# Altium PCB Z693_H93-A_KD01_V1.3_X6.PcbDoc (part 5 of 7)
Units mil, origin at the board's own origin, x right, y up, seen from the top; angles counter-clockwise.
Board outline 6229.44 x 4099.52 mil, 4 copper layers (Top Layer, Mid-Layer 1, Mid-Layer 2, Bottom Layer); 1032 components, 62 nets, 3170 pads, 1350 vias.
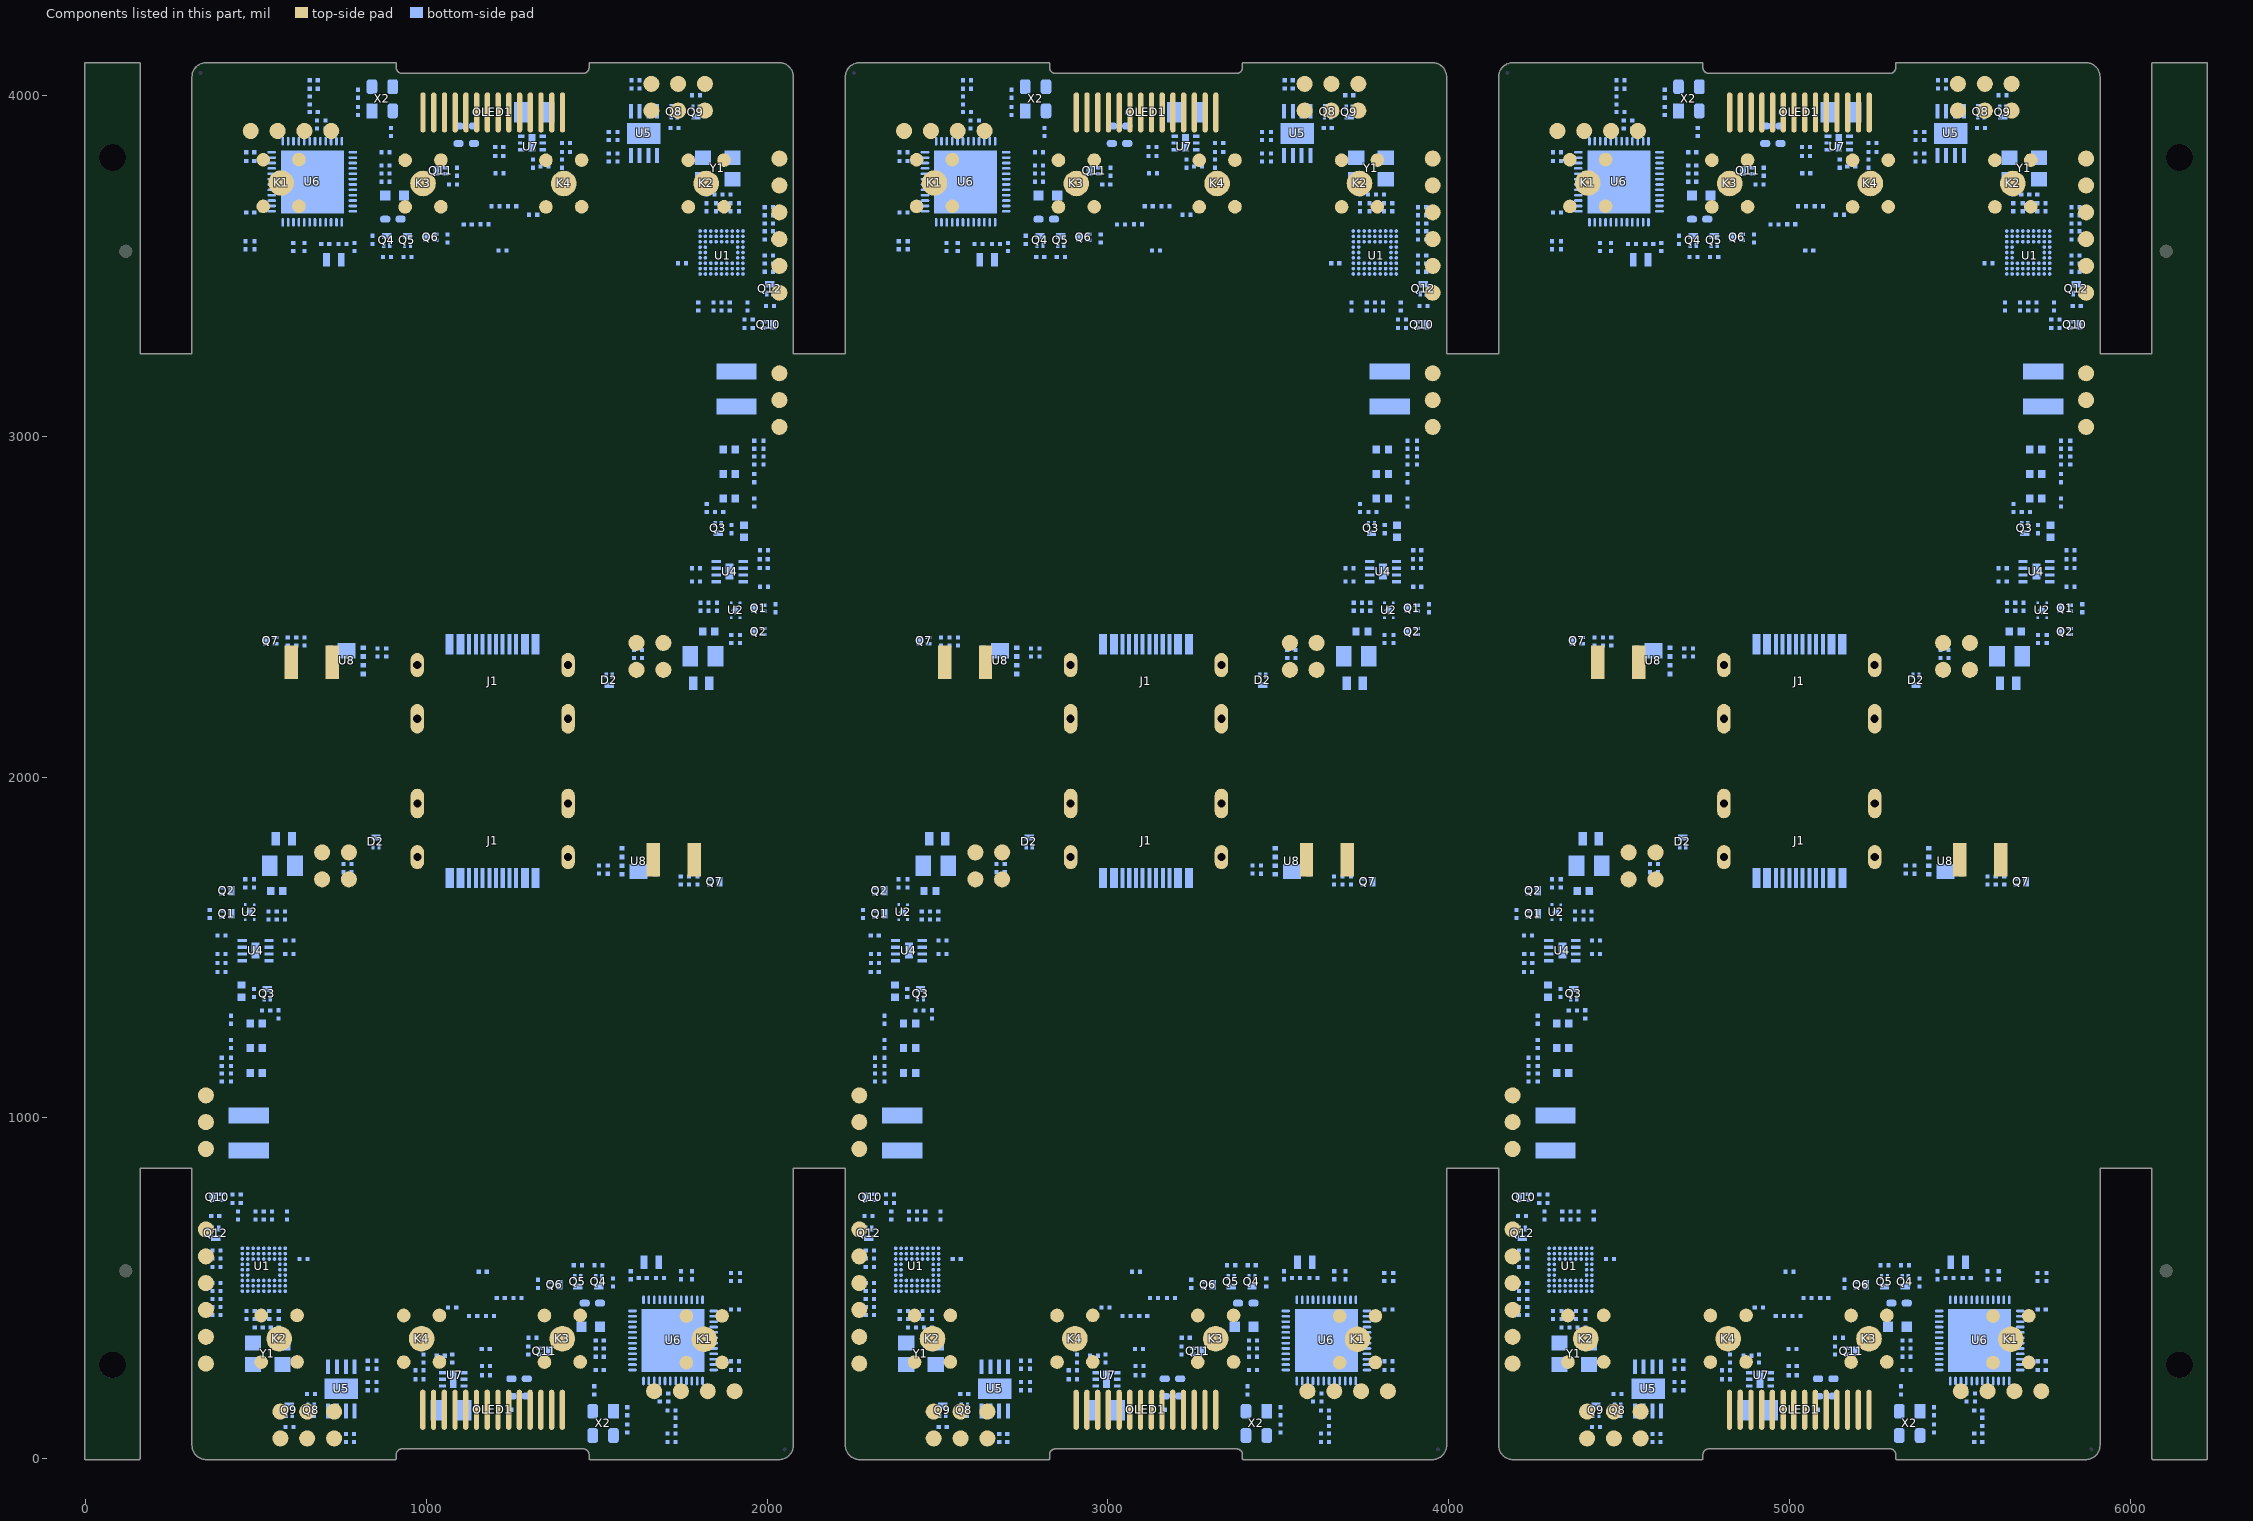
[diagram p7: the components of this part, seen from the top]

## Via types
v1: diameter 15, hole 8, Top Layer to Bottom Layer, tented both sides, 1194 vias
v2: diameter 8, hole 4, Mid-Layer 2 to Bottom Layer, tented bottom, 150 vias
v3: diameter 20, hole 10, Top Layer to Bottom Layer, tented both sides, 6 vias

## Nets (pads, with @x,y where several pads share a name; then routed paths per layer and width w, separated by ;. In a path a pad name is that pad's centre, name@x,y a point inside that pad or via, vN(x,y) a via of type N, cw(c..) or ccw(c..) an arc to the next point about the centre after c; other vN are vias at no path point) (continued)
copper on no net: (continued)
  Bottom Layer w6: v1(358.36,233.9) 347.8,244.46 347.8,519.91 360.49,532.6 417.77,532.6 428.01,522.35 459.52,522.35 460.27,523.1 ; 372.64,611.09 372.64,638.77 381.66,647.8 ; 396.26,516.1 410.93,516.1 v1(416.93,510.1) ; 396.26,563 396.26,587.09 396.26,611.09 399.79,607.56 v1(415.88,607.56) ; 410.51,1428.57 447.73,1428.57 459.89,1440.73 459.89,1461.57 ; 410.51,1535.62 426.73,1535.62 441.73,1520.62 459.89,1520.62 ; v1(423.53,429.88) 468.44,429.88 472.16,433.59 496.65,433.59 509.11,446.05 v2(509.11,460.78) ; v1@425.88,589.06 v1(429.88,589.06) 441.92,589.06 444.88,586.1 460.27,586.1 ; 427.26,1106.88 427.26,1082.39 452.3,1057.35 553.61,1057.35 574.15,1036.81 v1(574.15,969.3) ; v2(441.88,468.56) 457.46,468.56 476.02,487.11 476.02,491.61 ; v1(447.26,661.43) 447.26,701.65 ; v1(453.38,1546.06) 467.38,1546.06 474.99,1538.45 536.62,1538.45 561.26,1563.1 561.26,1582.58 585.26,1582.58 ; 491.27,339.59 520.27,368.59 520.27,384.59 523.26,387.58 523.26,491.61 ; v1(498.51,542.58) 507.51,533.58 507.51,523.1 ; v1(499.26,652.56) 507.51,644.31 507.51,617.59 ; v1@499.26,673.56 499.26,701.65 ; v1(520.8,130.88) 520.8,95.88 534.8,81.88 575.28,81.88 586.5,93.1 ; 523.26,523.1 v1(523.26,542.58) ; 529.63,2400.99 529.63,2425.29 542.28,2437.93 v1(584.88,2437.93) ; 538.63,1461.57 575.87,1461.57 601.88,1435.56 v1(601.88,1417.56) ; 538.63,1481.25 586.27,1481.25 ; 539.01,409.97 539.01,389.23 543.65,384.59 543.65,310.84 577.88,276.6 ; 539.01,433.59 539.01,491.61 ; v1(539.01,569.67) 539.01,586.1 ; v1(546.77,542.58) 554.76,534.59 554.76,523.1 ; 557.19,2409.84 593.43,2409.84 ; v1(557.27,450.17) 567.27,440.17 567.27,433.59 ; 578.89,3866.49 578.89,3899.94 v1(591.94,3912.99) ; 586.25,507.36 661.44,507.36 698.92,469.88 759.34,469.88 780.77,448.44 780.77,379.88 840.83,319.82 860.45,319.82 885.88,294.39 885.88,205.5 849.88,169.5 v1(849.88,146.89) ; 586.25,523.1 623.63,523.1 627.38,519.36 666.41,519.36 703.89,481.88 764.31,481.88 792.77,453.41 792.77,384.85 845.8,331.82 865.42,331.82 897.88,299.36 897.88,200.53 866.38,169.03 v1(866.38,72.39) ; 586.25,538.85 624.86,538.85 632.35,531.36 671.38,531.36 708.86,493.88 769.28,493.88 804.77,458.38 804.77,389.82 850.77,343.82 870.39,343.82 909.88,304.33 909.88,195.56 884.35,170.03 v1(884.35,89.09) ; 586.25,554.6 626.08,554.6 637.32,543.36 676.35,543.36 713.83,505.88 780.8,505.88 869.8,416.88 969.17,416.88 v1(1012.8,460.51) ; 586.25,570.35 627.3,570.35 642.29,555.36 681.32,555.36 718.8,517.88 805.75,517.88 v1(864.8,458.82) ; 586.25,586.1 627.63,586.1 ; 586.25,601.84 608.17,601.84 635.88,629.56 913.17,629.56 940.88,601.84 v1(1265,601.84) ; 591.76,701.65 610.88,682.53 v1(610.88,629.56) ; 594.64,3866.49 594.64,3880.74 v1(610.39,3896.49) ; 609.63,3544.2 609.63,3529.44 v1(625.96,3513.12) ; 609.63,3567.82 609.63,3627.55 610.39,3628.3 ; v1(626.13,3594.3) 626.13,3628.3 ; 641.88,3628.3 642.63,3627.55 642.63,3567.82 ; 642.63,3544.2 642.63,3508.94 v1(654.96,3496.62) ; v1(695.96,3592.62) 695.96,3605.7 704.87,3614.62 704.87,3628.3 ; v1(703.88,101.56) 712.26,109.94 712.26,140.17 ; v1(708.8,355.88) 708.8,397.3 v1(747.38,435.88) ; v1(738.11,100.1) 738.11,140.17 ; 784.6,3771.02 825.36,3771.02 849.74,3795.4 868.67,3795.4 v1@868.67,3813.11 ; 784.6,3802.51 810.3,3802.51 v1(821.88,3790.93) ; 784.6,3818.26 822.55,3818.26 v1(829.88,3810.93) ; 789.44,270.1 789.44,283.12 794,287.68 828.48,287.68 ; v1(858.84,398.91) 1019.16,398.91 1064.26,444.01 ; 882.5,2377.4 882.5,2417.29 893.88,2428.67 v1(1044.88,2428.67) 1115.87,2428.67 1125.92,2418.62 1125.92,2390.14 ; 892.29,3747.4 922.42,3747.4 934.6,3735.22 934.6,3707.4 ; 892.29,3834.01 v1(892.29,3852.34) ; v1(904.43,477.01) 1008.48,581.06 1294.27,581.06 1327.82,547.51 1327.82,525 ; v1(987.96,3847.62) 1029.4,3806.17 1029.4,3779.47 ; 991.89,305.72 1027.21,305.72 1030.64,302.29 ; v1(1044.62,1665.82) 1135.68,1665.82 1145.73,1675.87 1145.73,1704.35 ; 1054.26,302.29 1057.69,305.72 1076.26,305.72 1076.45,305.53 v1(1110.88,305.53) ; 1056.96,3788.33 1057.19,3788.56 1090.43,3788.56 ; 1061.95,3569.49 1061.95,3546.98 1095.5,3513.43 1381.29,3513.43 v1(1485.34,3617.48) ; 1088.38,443.51 1087.88,444.01 1087.88,412.67 1116.68,383.88 v1(1159.8,383.88) ; v1(1104.88,419.01) 1125.88,419.01 ; v1(1104.88,3529.93) 1104.88,3549.54 1127.28,3571.93 1162.28,3571.93 1182.96,3592.62 1182.96,3622.62 ; v1(1124.76,3492.65) 1448.88,3492.65 1476.6,3464.93 1753.88,3464.93 1781.6,3492.65 1803.51,3492.65 ; v1(1126.96,560.78) 1138.86,548.88 1153.8,548.88 ; v1(1134.31,3531.93) 1198.65,3531.93 1212.34,3545.62 ; 1149.5,419.01 1174.88,419.01 1174.88,395.88 1211.66,359.1 v1(1226.8,359.1) ; v1(1162.96,3735.4) 1178.1,3735.4 1214.88,3698.62 1214.88,3675.48 1240.26,3675.48 ; 1177.43,548.88 1191.11,562.56 v1(1255.45,562.56) ; 1206.8,471.88 1206.8,501.88 1227.49,522.56 1262.49,522.56 1284.88,544.95 v1(1284.88,564.56) ; v1(1229.96,3710.62) 1273.08,3710.62 1301.88,3681.82 1301.88,3650.48 1301.38,3650.98 ; 1235.96,3545.62 1250.9,3545.62 v1(1262.8,3533.72) ; 1244.03,2390.14 1244.03,2418.62 1254.08,2428.67 v1(1345.14,2428.67) ; 1263.84,1704.35 1263.84,1675.87 1273.9,1665.82 v1(1344.88,1665.82) 1495.88,1665.82 1507.26,1677.2 1507.26,1717.1 ; 1263.88,3675.48 v1(1284.88,3675.48) ; v1(1278.88,3788.96) 1313.32,3788.96 1313.5,3788.77 1332.08,3788.77 1335.5,3792.2 ; 1299.34,305.93 1332.57,305.93 1332.8,306.16 ; 1325.5,3650.48 1370.6,3695.58 v1(1530.93,3695.58) ; 1359.13,3792.2 1362.56,3788.77 1397.87,3788.77 ; 1360.36,315.02 1360.36,288.32 v1(1401.8,246.88) ; v1(1376.96,3633.98) 1420.59,3677.62 1519.96,3677.62 1608.96,3588.62 1675.93,3588.62 1713.41,3551.14 1752.44,3551.14 1763.69,3539.89 1803.51,3539.89 ; 1455.17,387.1 1455.17,359.28 1467.35,347.1 1497.47,347.1 ; v1(1497.47,242.15) 1497.47,260.48 ; v1(1505.41,4005.4) 1505.41,3924.46 1479.88,3898.93 1479.88,3790.16 1519.37,3750.67 1539,3750.67 1584.99,3704.67 1584.99,3636.11 1620.49,3600.62 1680.9,3600.62 1718.38,3563.14 1757.41,3563.14 1764.91,3555.64 1803.51,3555.64 ; v1@1521.1,281.38 1521.1,299.1 1540.02,299.1 1564.4,323.47 1605.17,323.47 ; v1(1523.38,4022.1) 1523.38,3925.46 1491.88,3893.96 1491.88,3795.13 1524.34,3762.67 1543.97,3762.67 1596.99,3709.64 1596.99,3641.08 1625.46,3612.62 1685.87,3612.62 1723.35,3575.14 1762.38,3575.14 1766.13,3571.39 1803.51,3571.39 ; v1(1524.96,3635.67) 1584.02,3576.62 1670.96,3576.62 1708.44,3539.14 1747.47,3539.14 1762.46,3524.14 1803.51,3524.14 ; v1(1539.88,3947.6) 1539.88,3924.99 1503.88,3888.99 1503.88,3800.1 1529.31,3774.67 1548.94,3774.67 1608.99,3714.62 1608.99,3646.05 1630.43,3624.62 1690.84,3624.62 1728.32,3587.14 1803.51,3587.14 ; v1(1559.88,283.56) 1567.21,276.23 1605.17,276.23 ; 1561.28,3806.81 1595.76,3806.81 1600.32,3811.37 1600.32,3824.4 ; v1(1567.88,303.56) 1579.46,291.98 1605.17,291.98 ; v1(1642.38,3658.62) 1680.96,3697.19 v1(1680.96,3738.62) ; 1651.65,3954.32 v1(1651.65,3994.39) ; 1677.5,3954.32 1677.5,3984.55 v1(1685.88,3992.93) ; 1684.89,466.19 1684.89,479.88 1693.8,488.79 v1(1693.8,501.88) ; v1(1734.8,597.88) 1747.13,585.55 1747.13,550.29 ; 1747.13,526.67 1747.13,466.94 1747.88,466.19 ; 1762.13,3508.4 1803.51,3508.4 ; 1763.63,466.19 v1(1763.63,500.19) ; v1(1763.8,581.38) 1780.13,565.05 1780.13,550.29 ; v1(1778.88,3464.93) 1778.88,3411.96 1798.01,3392.84 ; v1(1779.38,198) 1795.13,213.75 1795.13,228 ; 1779.38,466.19 1780.13,466.94 1780.13,526.67 ; v1(1787.88,2676.93) 1787.88,2658.93 1813.89,2632.92 1851.13,2632.92 ; 1796.34,1684.65 1832.58,1684.65 ; v1(1797.82,181.5) 1810.87,194.55 1810.87,228 ; 1803.27,4001.4 1814.49,4012.62 1854.96,4012.62 1868.96,3998.62 v1(1868.96,3963.62) ; 1803.5,2613.24 1851.13,2613.24 ; 1804.5,2511.91 1828.5,2511.91 1828.5,2531.4 1853.15,2556.04 1914.77,2556.04 1922.38,2548.43 v1(1936.38,2548.43) ; v1(1804.88,1656.56) 1847.49,1656.56 1860.13,1669.21 1860.13,1693.51 ; 1811.88,3817.89 1846.12,3783.65 1846.12,3709.9 1850.76,3705.26 1850.76,3684.52 ; v1(1815.62,3125.19) 1815.62,3057.68 1836.16,3037.14 1937.46,3037.14 1962.5,3012.1 1962.5,2987.62 ; 1822.5,3660.9 1822.5,3654.32 v1(1832.5,3644.32) ; 1835.01,3571.39 1835.01,3559.9 v1(1843,3551.91) ; 1850.76,3508.4 v1(1850.76,3524.82) ; 1850.76,3602.88 1850.76,3660.9 ; v1(1866.5,3551.91) 1866.5,3571.39 ; 1866.5,3602.88 1866.5,3706.91 1869.5,3709.9 1869.5,3725.9 1898.5,3754.9 ; v2(1880.66,3633.71) 1880.66,3648.44 1893.12,3660.9 1917.6,3660.9 1921.32,3664.62 v1(1966.23,3664.62) ; 1882.25,3476.9 1882.25,3450.18 v1(1890.5,3441.93) ; 1882.25,3571.39 1882.25,3560.91 v1(1891.25,3551.91) ; 1890.5,3392.84 v1@1890.5,3420.93 ; 1913.75,3602.88 1913.75,3607.38 1932.3,3625.93 v2(1947.88,3625.93) ; 1929.5,3508.4 1944.88,3508.4 1947.85,3505.43 v1(1959.88,3505.43) v1@1963.88,3505.43 ; 1929.5,3571.39 1930.25,3572.14 1961.76,3572.14 1972,3561.9 2029.27,3561.9 2041.96,3574.58 2041.96,3850.03 v1(2031.4,3860.59) ; 1929.87,2573.87 1948.03,2573.87 1963.03,2558.87 1979.25,2558.87 ; 1929.87,2632.92 1929.87,2653.77 1942.03,2665.92 1979.25,2665.92 ; 1942.5,3392.84 v1(1942.5,3433.06) ; v1(1972.83,3584.4) 1978.83,3578.4 1993.5,3578.4 ; v1(1973.88,3486.93) 1989.97,3486.93 1993.5,3483.4 1993.5,3507.4 1993.5,3531.49 ; 2008.1,3446.69 2017.13,3455.72 2017.13,3483.4 ; v1(2275.69,233.9) 2265.13,244.46 2265.13,519.91 2277.82,532.6 2335.09,532.6 2345.33,522.35 2376.84,522.35 2377.59,523.1 ; 2289.96,611.09 2289.96,638.77 2298.99,647.8 ; 2313.58,516.1 2328.25,516.1 v1(2334.25,510.1) ; 2313.58,563 2313.58,587.09 2313.58,611.09 2317.12,607.56 v1(2333.21,607.56) ; 2327.84,1428.57 2365.06,1428.57 2377.21,1440.73 2377.21,1461.57 ; 2327.84,1535.62 2344.06,1535.62 2359.06,1520.62 2377.21,1520.62 ; v1(2340.86,429.88) 2385.77,429.88 2389.48,433.59 2413.97,433.59 2426.43,446.05 v2(2426.43,460.78) ; v1@2343.21,589.06 v1(2347.21,589.06) 2359.24,589.06 2362.21,586.1 2377.59,586.1 ; 2344.58,1106.88 2344.58,1082.39 2369.62,1057.35 2470.93,1057.35 2491.47,1036.81 v1(2491.47,969.3) ; v2(2359.21,468.56) 2374.79,468.56 2393.34,487.11 2393.34,491.61 ; v1(2364.58,661.43) 2364.58,701.65 ; v1(2370.71,1546.06) 2384.71,1546.06 2392.31,1538.45 2453.94,1538.45 2478.58,1563.1 2478.58,1582.58 2502.58,1582.58 ; 2408.59,339.59 2437.59,368.59 2437.59,384.59 2440.58,387.58 2440.58,491.61 ; v1(2415.84,542.58) 2424.84,533.58 2424.84,523.1 ; v1(2416.58,652.56) 2424.84,644.31 2424.84,617.59 ; v1@2416.58,673.56 2416.58,701.65 ; v1(2438.13,130.88) 2438.13,95.88 2452.13,81.88 2492.6,81.88 2503.82,93.1 ; 2440.58,523.1 v1(2440.58,542.58) ; 2446.95,2400.99 2446.95,2425.29 2459.6,2437.93 v1(2502.21,2437.93) ; 2455.95,1461.57 2493.2,1461.57 2519.21,1435.56 v1(2519.21,1417.56) ; 2455.95,1481.25 2503.59,1481.25 ; 2456.33,409.97 2456.33,389.23 2460.97,384.59 2460.97,310.84 2495.21,276.6 ; 2456.33,433.59 2456.33,491.61 ; v1(2456.33,569.67) 2456.33,586.1 ; v1(2464.09,542.58) 2472.08,534.59 2472.08,523.1 ; 2474.51,2409.84 2510.75,2409.84 ; v1(2474.59,450.17) 2484.59,440.17 2484.59,433.59 ; 2496.21,3866.49 2496.21,3899.94 v1(2509.26,3912.99) ; 2503.58,507.36 2578.77,507.36 2616.25,469.88 2676.66,469.88 2698.1,448.44 2698.1,379.88 2758.15,319.82 2777.78,319.82 2803.21,294.39 2803.21,205.5 2767.21,169.5 v1(2767.21,146.89) ; 2503.58,523.1 2540.96,523.1 2544.7,519.36 2583.74,519.36 2621.22,481.88 2681.63,481.88 2710.1,453.41 2710.1,384.85 2763.12,331.82 2782.75,331.82 2815.21,299.36 2815.21,200.53 2783.71,169.03 v1(2783.71,72.39) ; 2503.58,538.85 2542.18,538.85 2549.68,531.36 2588.71,531.36 2626.19,493.88 2686.6,493.88 2722.1,458.38 2722.1,389.82 2768.09,343.82 2787.72,343.82 2827.21,304.33 2827.21,195.56 2801.68,170.03 v1(2801.68,89.09) ; 2503.58,554.6 2543.4,554.6 2554.65,543.36 2593.68,543.36 2631.16,505.88 2698.13,505.88 2787.13,416.88 2886.49,416.88 v1(2930.13,460.51) ; 2503.58,570.35 2544.62,570.35 2559.62,555.36 2598.65,555.36 2636.13,517.88 2723.07,517.88 v1(2782.13,458.82) ; 2503.58,586.1 2544.95,586.1 ; 2503.58,601.84 2525.49,601.84 2553.21,629.56 2830.49,629.56 2858.21,601.84 v1(3182.32,601.84) ; 2509.08,701.65 2528.21,682.53 v1(2528.21,629.56) ; 2511.96,3866.49 2511.96,3880.74 v1(2527.71,3896.49) ; 2526.96,3544.2 2526.96,3529.44 v1(2543.28,3513.12) ; 2526.96,3567.82 2526.96,3627.55 2527.71,3628.3 ; v1(2543.46,3594.3) 2543.46,3628.3 ; 2559.21,3628.3 2559.96,3627.55 2559.96,3567.82 ; 2559.96,3544.2 2559.96,3508.94 v1(2572.28,3496.62) ; v1(2613.28,3592.62) 2613.28,3605.7 2622.2,3614.62 2622.2,3628.3 ; v1(2621.21,101.56) 2629.58,109.94 2629.58,140.17 ; v1(2626.13,355.88) 2626.13,397.3 v1(2664.71,435.88) ; v1(2655.43,100.1) 2655.43,140.17 ; 2701.92,3771.02 2742.69,3771.02 2767.06,3795.4 2785.99,3795.4 v1@2785.99,3813.11 ; 2701.92,3802.51 2727.62,3802.51 v1(2739.21,3790.93) ; 2701.92,3818.26 2739.88,3818.26 v1(2747.21,3810.93) ; 2706.77,270.1 2706.77,283.12 2711.33,287.68 2745.8,287.68 ; v1(2776.16,398.91) 2936.48,398.91 2981.58,444.01 ; 2799.83,2377.4 2799.83,2417.29 2811.21,2428.67 v1(2962.21,2428.67) 3033.19,2428.67 3043.25,2418.62 3043.25,2390.14 ; 2809.62,3747.4 2839.74,3747.4 2851.92,3735.22 2851.92,3707.4 ; 2809.62,3834.01 v1(2809.62,3852.34) ; v1(2821.75,477.01) 2925.8,581.06 3211.59,581.06 3245.14,547.51 3245.14,525 ; v1(2905.28,3847.62) 2946.73,3806.17 2946.73,3779.47 ; 2909.21,305.72 2944.53,305.72 2947.96,302.29 ; v1(2961.95,1665.82) 3053,1665.82 3063.06,1675.87 3063.06,1704.35 ; 2971.58,302.29 2975.01,305.72 2993.58,305.72 2993.77,305.53 v1(3028.21,305.53) ; 2974.28,3788.33 2974.51,3788.56 3007.75,3788.56 ; 2979.27,3569.49 2979.27,3546.98 3012.82,3513.43 3298.61,3513.43 v1(3402.66,3617.48) ; 3005.71,443.51 3005.21,444.01 3005.21,412.67 3034.01,383.88 v1(3077.13,383.88) ; v1(3022.21,419.01) 3043.21,419.01 ; v1(3022.21,3529.93) 3022.21,3549.54 3044.6,3571.93 3079.6,3571.93 3100.28,3592.62 3100.28,3622.62 ; v1(3042.09,3492.65) 3366.21,3492.65 3393.92,3464.93 3671.21,3464.93 3698.92,3492.65 3720.84,3492.65 ; v1(3044.29,560.78) 3056.19,548.88 3071.13,548.88 ; v1(3051.64,3531.93) 3115.98,3531.93 3129.66,3545.62 ; 3066.83,419.01 3092.21,419.01 3092.21,395.88 3128.99,359.1 v1(3144.13,359.1) ; v1(3080.28,3735.4) 3095.43,3735.4 3132.21,3698.62 3132.21,3675.48 3157.58,3675.48 ; 3094.75,548.88 3108.43,562.56 v1(3172.77,562.56) ; 3124.13,471.88 3124.13,501.88 3144.81,522.56 3179.81,522.56 3202.21,544.95 v1(3202.21,564.56) ; v1(3147.28,3710.62) 3190.41,3710.62 3219.21,3681.82 3219.21,3650.48 3218.71,3650.98 ; 3153.28,3545.62 3168.23,3545.62 v1(3180.13,3533.72) ; 3161.36,2390.14 3161.36,2418.62 3171.41,2428.67 v1(3262.47,2428.67) ; 3181.17,1704.35 3181.17,1675.87 3191.22,1665.82 v1(3262.21,1665.82) 3413.21,1665.82 3424.58,1677.2 3424.58,1717.1 ; 3181.21,3675.48 v1(3202.21,3675.48) ; v1(3196.21,3788.96) 3230.64,3788.96 3230.83,3788.77 3249.4,3788.77 3252.83,3792.2 ; 3216.66,305.93 3249.9,305.93 3250.13,306.16 ; 3242.83,3650.48 3287.93,3695.58 v1(3448.25,3695.58) ; 3276.45,3792.2 3279.88,3788.77 3315.2,3788.77 ; 3277.69,315.02 3277.69,288.32 v1(3319.13,246.88) ; v1(3294.28,3633.98) 3337.92,3677.62 3437.28,3677.62 3526.28,3588.62 3593.26,3588.62 3630.74,3551.14 3669.77,3551.14 3681.01,3539.89 3720.84,3539.89 ; 3372.49,387.1 3372.49,359.28 3384.67,347.1 3414.8,347.1 ; v1(3414.8,242.15) 3414.8,260.48 ; v1(3422.74,4005.4) 3422.74,3924.46 3397.21,3898.93 3397.21,3790.16 3436.69,3750.67 3456.32,3750.67 3502.32,3704.67 3502.32,3636.11 3537.81,3600.62 3598.23,3600.62 3635.71,3563.14 3674.74,3563.14 3682.23,3555.64 3720.84,3555.64 ; v1@3438.42,281.38 3438.42,299.1 3457.35,299.1 3481.73,323.47 3522.49,323.47 ; v1(3440.71,4022.1) 3440.71,3925.46 3409.21,3893.96 3409.21,3795.13 3441.67,3762.67 3461.29,3762.67 3514.32,3709.64 3514.32,3641.08 3542.78,3612.62 3603.2,3612.62 3640.68,3575.14 3679.71,3575.14 3683.46,3571.39 3720.84,3571.39 ; v1(3442.28,3635.67) 3501.34,3576.62 3588.28,3576.62 3625.76,3539.14 3664.8,3539.14 3679.79,3524.14 3720.84,3524.14 ; v1(3457.21,3947.6) 3457.21,3924.99 3421.21,3888.99 3421.21,3800.1 3446.64,3774.67 3466.26,3774.67 3526.32,3714.62 3526.32,3646.05 3547.75,3624.62 3608.17,3624.62 3645.65,3587.14 3720.84,3587.14 ; v1(3477.21,283.56) 3484.54,276.23 3522.49,276.23 ; 3478.61,3806.81 3513.09,3806.81 3517.65,3811.37 3517.65,3824.4 ; v1(3485.21,303.56) 3496.79,291.98 3522.49,291.98 ; v1(3559.71,3658.62) 3598.28,3697.19 v1(3598.28,3738.62) ; 3568.98,3954.32 v1(3568.98,3994.39) ; 3594.83,3954.32 3594.83,3984.55 v1(3603.21,3992.93) ; 3602.21,466.19 3602.21,479.88 3611.13,488.79 v1(3611.13,501.88) ; v1(3652.13,597.88) 3664.45,585.55 3664.45,550.29 ; 3664.45,526.67 3664.45,466.94 3665.21,466.19 ; 3679.46,3508.4 3720.84,3508.4 ; 3680.95,466.19 v1(3680.95,500.19) ; v1(3681.13,581.38) 3697.45,565.05 3697.45,550.29 ; v1(3696.21,3464.93) 3696.21,3411.96 3715.33,3392.84 ; v1(3696.7,198) 3712.45,213.75 3712.45,228 ; 3696.7,466.19 3697.45,466.94 3697.45,526.67 ; v1(3705.21,2676.93) 3705.21,2658.93 3731.22,2632.92 3768.46,2632.92 ; 3713.66,1684.65 3749.9,1684.65 ; v1(3715.15,181.5) 3728.2,194.55 3728.2,228 ; 3720.59,4001.4 3731.81,4012.62 3772.28,4012.62 3786.28,3998.62 v1(3786.28,3963.62) ; 3720.82,2613.24 3768.46,2613.24 ; 3721.83,2511.91 3745.83,2511.91 3745.83,2531.4 3770.47,2556.04 3832.1,2556.04 3839.71,2548.43 v1(3853.71,2548.43) ; v1(3722.21,1656.56) 3764.81,1656.56 3777.46,1669.21 3777.46,1693.51 ; 3729.21,3817.89 3763.44,3783.65 3763.44,3709.9 3768.08,3705.26 3768.08,3684.52 ; v1(3732.94,3125.19) 3732.94,3057.68 3753.48,3037.14 3854.79,3037.14 3879.83,3012.1 3879.83,2987.62 ; 3739.82,3660.9 3739.82,3654.32 v1(3749.82,3644.32) ; 3752.33,3571.39 3752.33,3559.9 v1(3760.32,3551.91) ; 3768.08,3508.4 v1(3768.08,3524.82) ; 3768.08,3602.88 3768.08,3660.9 ; v1(3783.83,3551.91) 3783.83,3571.39 ; 3783.83,3602.88 3783.83,3706.91 3786.82,3709.9 3786.82,3725.9 3815.82,3754.9 ; v2(3797.98,3633.71) 3797.98,3648.44 3810.44,3660.9 3834.93,3660.9 3838.64,3664.62 v1(3883.56,3664.62) ; 3799.58,3476.9 3799.58,3450.18 v1(3807.83,3441.93) ; 3799.58,3571.39 3799.58,3560.91 v1(3808.58,3551.91) ; 3807.83,3392.84 v1@3807.83,3420.93 ; 3831.07,3602.88 3831.07,3607.38 3849.62,3625.93 v2(3865.21,3625.93) ; 3846.82,3508.4 3862.21,3508.4 3865.17,3505.43 v1(3877.21,3505.43) v1@3881.21,3505.43 ; 3846.82,3571.39 3847.57,3572.14 3879.08,3572.14 3889.32,3561.9 3946.6,3561.9 3959.28,3574.58 3959.28,3850.03 v1(3948.72,3860.59) ; 3847.2,2573.87 3865.36,2573.87 3880.36,2558.87 3896.58,2558.87 ; 3847.2,2632.92 3847.2,2653.77 3859.36,2665.92 3896.58,2665.92 ; 3859.83,3392.84 v1(3859.83,3433.06) ; v1(3890.16,3584.4) 3896.16,3578.4 3910.83,3578.4 ; v1(3891.21,3486.93) 3907.3,3486.93 3910.83,3483.4 3910.83,3507.4 3910.83,3531.49 ; 3925.43,3446.69 3934.45,3455.72 3934.45,3483.4 ; v1(4193.01,233.9) 4182.45,244.46 4182.45,519.91 4195.14,532.6 4252.41,532.6 4262.66,522.35 4294.16,522.35 4294.92,523.1 ; 4207.29,611.09 4207.29,638.77 4216.31,647.8 ; 4230.91,516.1 4245.58,516.1 v1(4251.58,510.1) ; 4230.91,563 4230.91,587.09 4230.91,611.09 4234.44,607.56 v1(4250.53,607.56) ; 4245.16,1428.57 4282.38,1428.57 4294.54,1440.73 4294.54,1461.57 ; 4245.16,1535.62 4261.38,1535.62 4276.38,1520.62 4294.54,1520.62 ; v1(4258.18,429.88) 4303.09,429.88 4306.81,433.59 4331.29,433.59 4343.75,446.05 v2(4343.75,460.78) ; v1@4260.53,589.06 v1(4264.53,589.06) 4276.57,589.06 4279.53,586.1 4294.92,586.1 ; 4261.91,1106.88 4261.91,1082.39 4286.95,1057.35 4388.25,1057.35 4408.79,1036.81 v1(4408.79,969.3) ; v2(4276.53,468.56) 4292.11,468.56 4310.66,487.11 4310.66,491.61 ; v1(4281.91,661.43) 4281.91,701.65 ; v1(4288.03,1546.06) 4302.03,1546.06 4309.64,1538.45 4371.26,1538.45 4395.91,1563.1 4395.91,1582.58 4419.91,1582.58 ; 4325.92,339.59 4354.92,368.59 4354.92,384.59 4357.91,387.58 4357.91,491.61 ; v1(4333.16,542.58) 4342.16,533.58 4342.16,523.1 ; v1(4333.91,652.56) 4342.16,644.31 4342.16,617.59 ; v1@4333.91,673.56 4333.91,701.65 ; v1(4355.45,130.88) 4355.45,95.88 4369.45,81.88 4409.92,81.88 4421.14,93.1 ; 4357.91,523.1 v1(4357.91,542.58) ; 4364.28,2400.99 4364.28,2425.29 4376.92,2437.93 v1(4419.53,2437.93) ; 4373.28,1461.57 4410.52,1461.57 4436.53,1435.56 v1(4436.53,1417.56) ; 4373.28,1481.25 4420.92,1481.25 ; 4373.66,409.97 4373.66,389.23 4378.29,384.59 4378.29,310.84 4412.53,276.6 ; 4373.66,433.59 4373.66,491.61 ; v1(4373.66,569.67) 4373.66,586.1 ; v1(4381.41,542.58) 4389.4,534.59 4389.4,523.1 ; 4391.84,2409.84 4428.07,2409.84 ; v1(4391.92,450.17) 4401.92,440.17 